# KiCad board px16_regfile.kicad_pcb (continued)
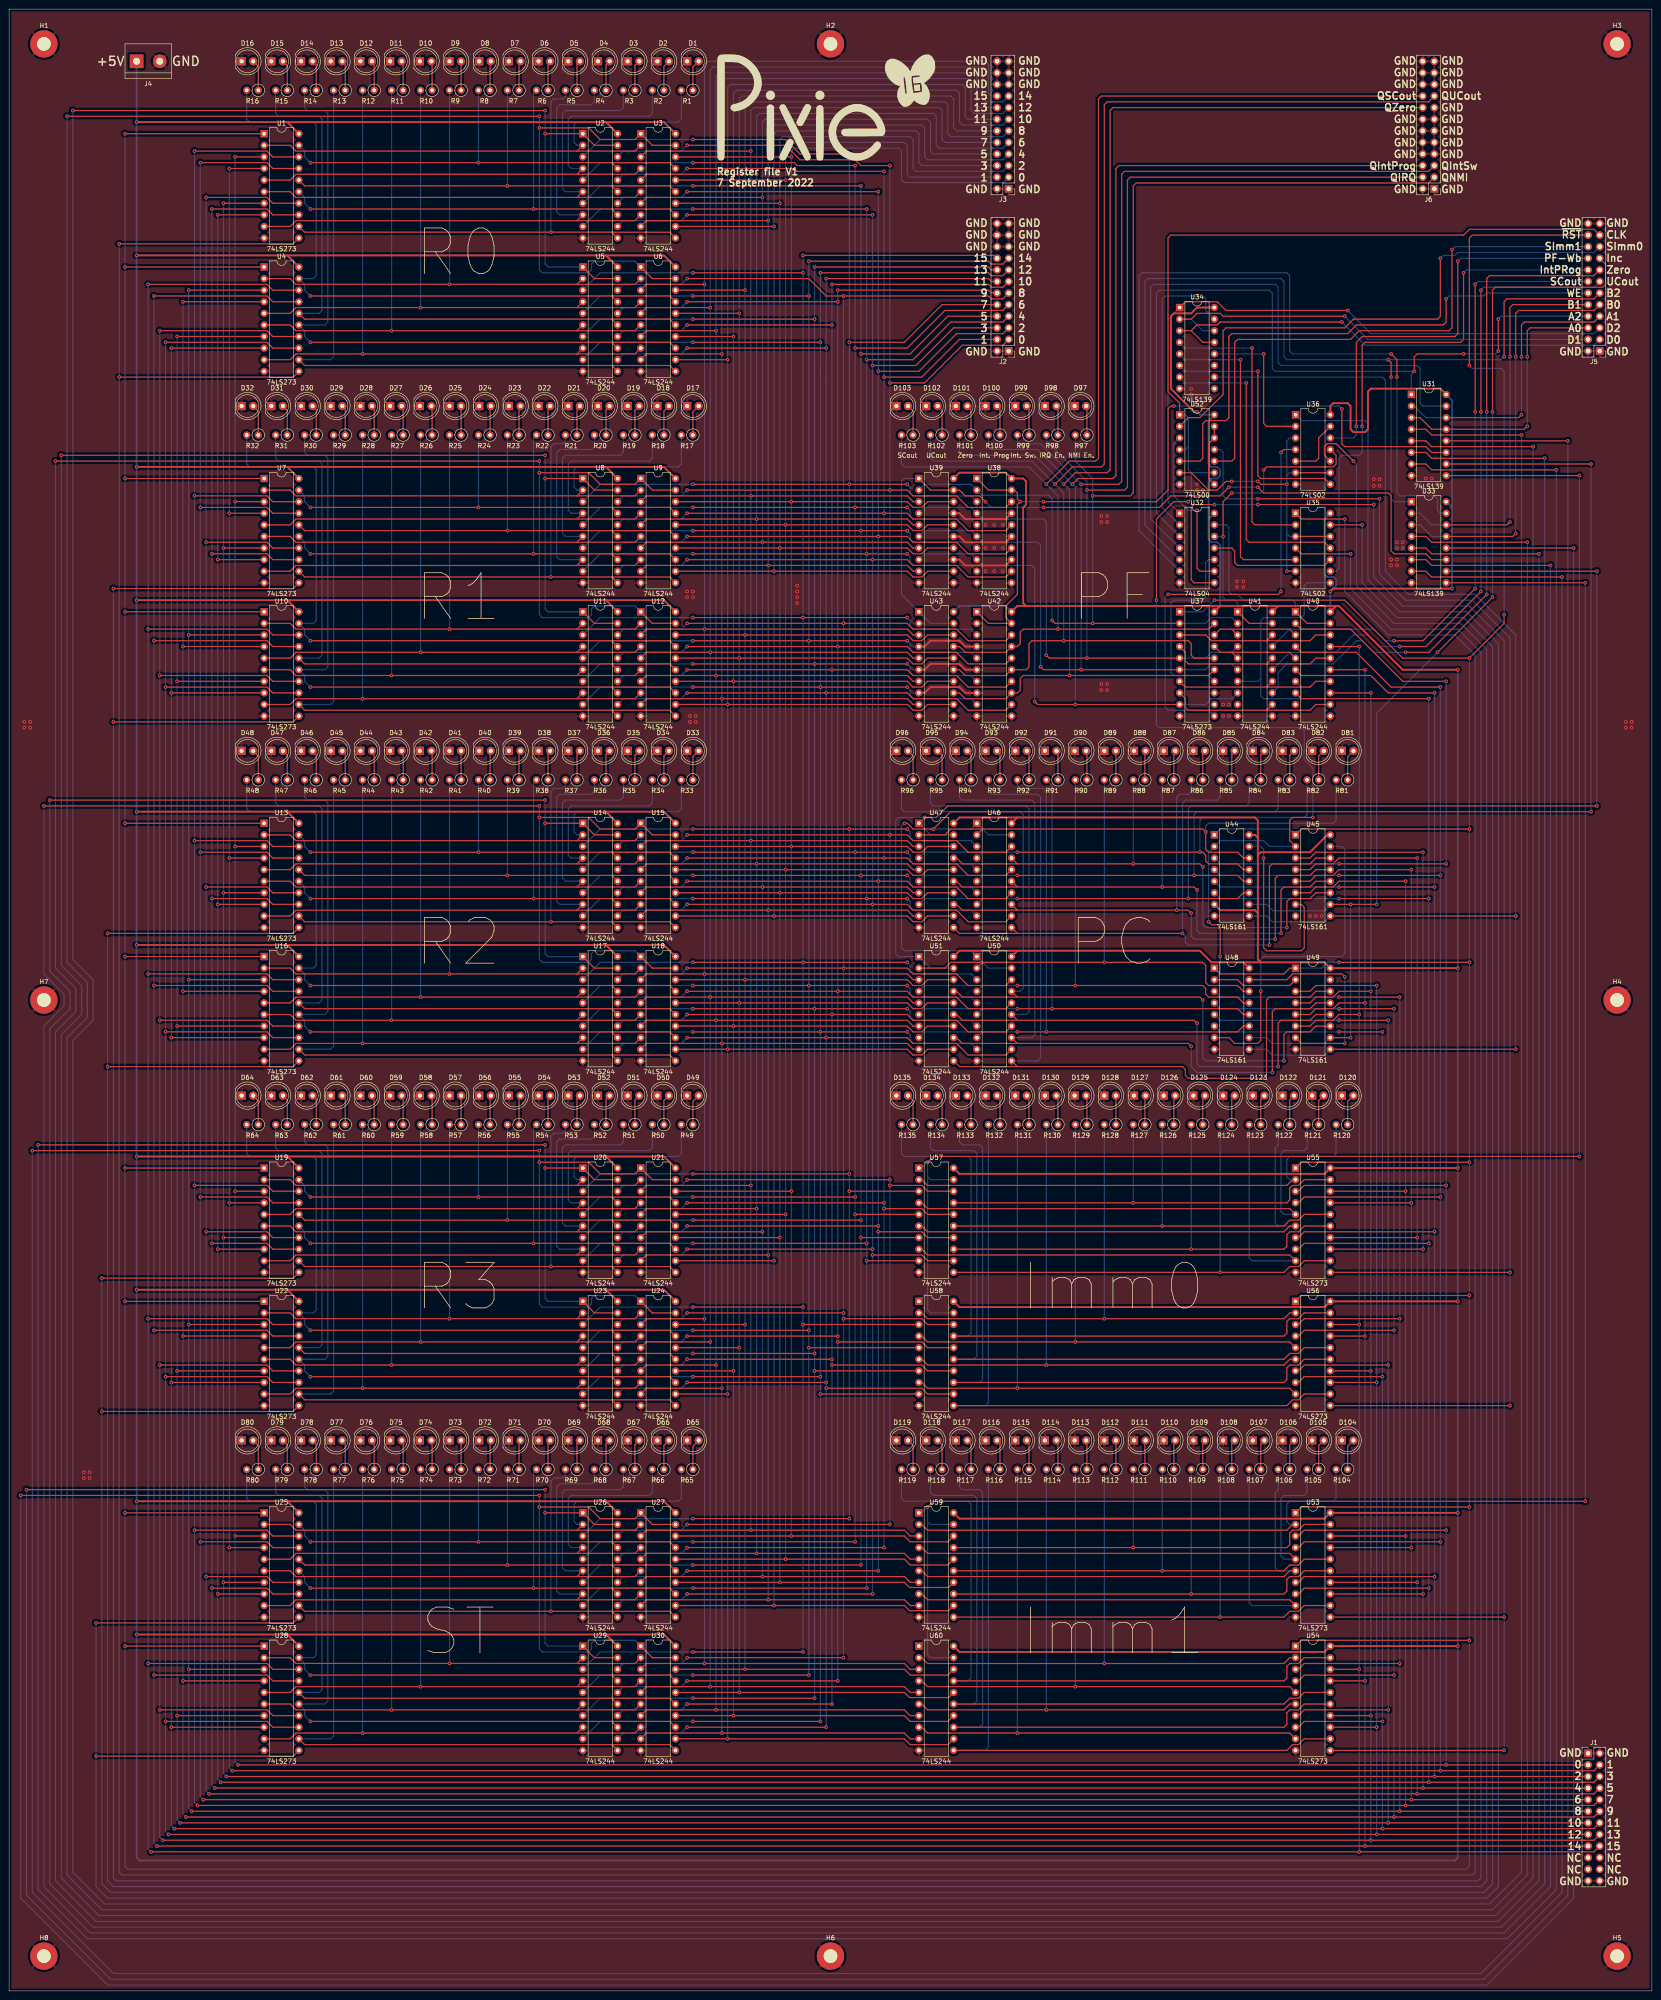
[diagram p0: board, top side]
## Routing (per net, layer and track width the routed paths; a pad name or vN(x,y) marks a point on that pad's centre or on a via; arc(x,y) is an arc through that point) (continued)
/R0-WE: length 1062.6
  Top w0.25: v1(24.13,382.9) 62.25,382.9 U1.11 ; v1(24.13,353.69) 62.25,353.69 U4.11 ; v1(292.73,322.58) 283.21,322.58 U35.1
  Bottom w0.25: v1(292.73,322.58) 292.73,306.7 302.26,297.18 316.87,297.18 321.31,292.74 321.31,26.03 320.68,25.4 24.77,25.4 24.13,26.03 v1(24.13,353.69) v1(24.13,382.9)
/R0Q0: length 121.7
  Top w0.25: U1.2 61.59,404.49 61.59,404.5 62.86,403.23 124.45,403.23 124.46,403.22 ; 125.73,404.5 124.46,403.23 137.15,403.23 137.16,403.22 138.43,404.5
  Bottom w0.25: R1.2 147.32,410.21 146.69,409.57 124.46,409.57 123.83,408.94 123.83,405.13 124.46,404.5 125.73,404.5
/R0Q1: length 123
  Top w0.25: 124.46,398.15 125.73,399.41 ; U1.5 61.59,396.87 62.86,398.14 137.16,398.14 138.43,399.41
  Bottom w0.25: R2.2 140.97,411.48 140.33,410.84 123.19,410.84 122.55,410.21 122.55,400.05 123.19,399.41 125.73,399.41
/R0Q2: length 124.3
  Top w0.25: 55.89,394.33 61.59,394.33 62.86,393.06 124.46,393.06 ; 124.46,393.06 125.73,394.33 ; 124.46,393.06 137.16,393.06 138.43,394.33
  Bottom w0.25: 125.73,394.33 121.92,394.33 121.29,394.97 121.29,411.48 121.92,412.11 133.99,412.11 134.62,412.75 R3.2
/R0Q3: length 125.6
  Top w0.25: 124.45,387.97 124.46,387.98 137.16,387.98 138.43,389.25 ; 124.45,387.97 125.73,389.25 ; 124.45,387.97 62.85,387.97 61.59,386.71 U1.9
  Bottom w0.25: R4.2 128.27,414.02 127.64,413.38 120.65,413.38 120.02,412.75 120.02,389.89 120.65,389.25 125.73,389.25
/R0Q4: length 118.9
  Top w0.25: 132.08,385.45 133.35,384.17 ; 146.05,384.17 144.78,385.44 132.08,385.44 132.07,385.45 64.77,385.45 U1.12
  Bottom w0.25: R5.2 121.92,415.29 121.29,414.65 119.38,414.65 118.75,414.02 118.74,414.02 v1(118.74,385.45)
/R0Q5: length 113.5
  Top w0.25: v1(66.04,390.52) 132.08,390.52 133.35,389.25 ; 146.05,389.25 144.78,390.52 144.77,390.52 132.08,390.52
  Bottom w0.25: v1(66.04,390.52) 64.77,391.79 64.77,393.07 U1.15 ; R6.2 114.93,415.92 v1(114.93,390.52)
/R0Q6: length 106.3
  Top w0.25: 132.08,395.6 144.78,395.6 146.05,394.33 ; 132.08,395.6 133.35,394.33 ; 132.08,395.6 64.77,395.6 64.77,395.61 U1.16
  Bottom w0.25: R7.2 v1(109.22,395.6)
/R0Q7: length 103.1
  Top w0.25: v1(66.04,400.68) 66.05,400.69 v1(102.86,400.69) 132.07,400.69 132.08,400.68 ; 132.08,400.68 144.78,400.68 146.05,399.41 ; 132.08,400.68 133.35,399.41
  Bottom w0.25: R8.2 102.87,400.69 v1(102.86,400.69) ; v1(66.04,400.68) 64.77,401.95 64.77,403.23 U1.19
/R0Q8: length 127.9
  Top w0.25: 124.46,374.01 125.73,375.28 ; 124.46,374.01 137.15,374.01 138.43,375.29 ; 124.46,374.01 124.45,374.02 62.86,374.02 61.59,375.28 55.89,375.28
  Bottom w0.25: R9.2 v1(96.52,374.01)
/R0Q9: length 133
  Top w0.25: 137.15,368.93 138.43,370.21 ; 55.89,367.66 61.59,367.66 62.86,368.93 124.46,368.93 ; 124.46,368.93 125.73,370.2 ; 124.46,368.93 137.16,368.93
  Bottom w0.25: R10.2 v1(90.17,368.93)
/R0Q10: length 138.1
  Top w0.25: 124.46,363.85 62.86,363.85 61.59,365.12 55.89,365.12 ; 124.46,363.85 137.16,363.85 ; 124.46,363.85 125.73,365.12 ; 137.15,363.85 138.43,365.13
  Bottom w0.25: R11.2 v1(83.82,363.85)
/R0Q11: length 143.2
  Top w0.25: 124.46,358.77 137.15,358.77 138.43,360.05 ; 124.46,358.77 125.73,360.04 ; 124.46,358.77 v1(77.47,358.77) 62.86,358.77 61.59,357.5 55.89,357.5
  Bottom w0.25: R12.2 v1(77.47,358.77)
/R0Q12: length 151.7
  Top w0.25: 64.77,356.24 132.08,356.24 ; 132.08,356.24 144.79,356.24 146.05,354.97 ; 132.08,356.24 133.35,354.96 ; 63.5,357.5 64.76,356.25
  Bottom w0.25: R13.2 71.12,358.14 70.48,357.5 63.51,357.5
/R0Q13: length 148.9
  Top w0.25: 132.08,361.31 144.78,361.31 ; 132.08,361.31 133.35,360.04 ; 132.08,361.31 v1(66.03,361.31) ; 144.79,361.31 146.05,360.05
  Bottom w0.25: v1(66.03,361.31) 64.76,362.58 64.76,363.87 63.5,365.12 ; R14.2 64.77,412.75 65.41,412.11 69.22,412.11 69.85,411.48 69.85,365.76 69.22,365.12 63.51,365.12
/R0Q14: length 148.4
  Top w0.25: 132.08,366.39 144.79,366.39 146.05,365.13 ; 132.08,366.39 133.35,365.12 ; 132.08,366.39 64.77,366.39 ; 63.5,367.66 64.76,366.4
  Bottom w0.25: 63.51,367.66 67.94,367.66 68.58,368.3 68.58,410.21 67.94,410.84 59.05,410.84 58.42,411.48 R15.2
/R0Q15: length 146.4
  Top w0.25: 146.05,370.21 144.79,371.47 132.08,371.47 ; v1(66.03,371.47) 132.08,371.47 ; 132.08,371.47 133.35,370.2
  Bottom w0.25: R16.2 52.07,410.21 52.7,409.57 66.67,409.57 67.31,408.94 67.31,375.92 66.67,375.28 63.51,375.28 ; v1(66.03,371.47) 64.76,372.75 64.76,374.02 63.5,375.28
/R1-WE: length 988.3
  Top w0.25: v1(22.86,278.13) 62.25,278.13 U10.11 ; v1(294,314.96) 283.21,314.96 U35.4 ; U7.11 62.25,307.34 v1(22.86,307.34)
  Bottom w0.25: v1(294,314.96) 294,307.34 302.89,298.45 317.5,298.45 322.58,293.37 322.58,24.76 321.94,24.13 23.49,24.13 22.86,24.76 v1(22.86,278.13) v1(22.86,307.34)
/R1Q0: length 121.7
  Top w0.25: 138.43,328.93 137.16,327.66 137.15,327.66 124.46,327.66 125.73,328.93 ; U7.2 61.59,328.92 61.59,328.93 62.86,327.66 124.45,327.66 124.46,327.66
  Bottom w0.25: 125.73,328.93 124.46,328.93 123.83,329.56 123.83,333.38 124.46,334.01 146.69,334.01 147.32,334.64 R17.2
/R1Q1: length 123
  Top w0.25: U7.5 61.59,321.3 62.86,322.58 137.16,322.58 138.43,323.85 ; 124.46,322.58 125.73,323.85
  Bottom w0.25: 125.73,323.85 123.19,323.85 122.55,324.49 122.55,334.64 123.19,335.28 140.33,335.28 140.97,335.91 R18.2
/R1Q2: length 124.3
  Top w0.25: 138.43,318.77 137.16,317.5 124.46,317.5 ; 125.73,318.77 124.46,317.5 ; 124.46,317.5 62.86,317.5 61.59,318.77 55.89,318.77
  Bottom w0.25: 125.73,318.77 121.92,318.77 121.29,319.4 121.29,335.91 121.92,336.55 133.99,336.55 134.62,337.18 R19.2
/R1Q3: length 125.6
  Top w0.25: 124.45,312.4 125.73,313.69 ; 124.45,312.4 124.46,312.42 137.16,312.42 138.43,313.69 ; 124.45,312.4 62.85,312.4 61.59,311.14 U7.9
  Bottom w0.25: 125.73,313.69 120.65,313.69 120.02,314.32 120.02,337.18 120.65,337.82 127.64,337.82 128.27,338.45 R20.2
/R1Q4: length 118.9
  Top w0.25: 132.08,309.88 133.35,308.61 ; U7.12 64.77,309.88 132.07,309.88 132.08,309.88 144.78,309.88 146.05,308.61
  Bottom w0.25: v1(118.74,309.88) 118.74,338.46 118.75,338.46 119.38,339.09 121.29,339.09 121.92,339.72 R21.2
/R1Q5: length 113.5
  Top w0.25: 146.05,313.69 144.78,314.96 144.77,314.95 132.08,314.95 ; 133.35,313.69 132.08,314.96 v1(66.04,314.96)
  Bottom w0.25: v1(114.93,314.96) 114.93,340.36 R22.2 ; v1(66.04,314.96) 64.77,316.23 64.77,317.5 U7.15
/R1Q6: length 106.3
  Top w0.25: 146.05,318.77 144.78,320.04 132.08,320.04 ; 132.08,320.04 133.35,318.77 ; 132.08,320.04 64.77,320.04 64.77,320.04 U7.16
  Bottom w0.25: R23.2 v1(109.22,320.04)
/R1Q7: length 103.1
  Top w0.25: 132.08,325.12 133.35,323.85 ; 132.08,325.12 144.78,325.12 146.05,323.85 ; 132.08,325.12 132.07,325.12 v1(102.86,325.12) 66.05,325.12 v1(66.04,325.12)
  Bottom w0.25: v1(102.86,325.12) 102.87,325.13 R24.2 ; U7.19 64.77,327.66 64.77,326.39 v1(66.04,325.12)
/R1Q8: length 127.9
  Top w0.25: 124.46,298.45 137.15,298.45 138.43,299.72 ; 124.46,298.45 125.73,299.72 ; 124.46,298.45 124.45,298.46 62.86,298.46 61.59,299.72 55.89,299.72
  Bottom w0.25: R25.2 v1(96.52,298.45)
/R1Q9: length 133
  Top w0.25: 55.89,292.1 61.59,292.1 62.86,293.37 124.46,293.37 ; 137.15,293.37 138.43,294.64 ; 124.46,293.37 137.16,293.37 ; 124.46,293.37 125.73,294.64
  Bottom w0.25: R26.2 v1(90.17,293.37)
/R1Q10: length 138.1
  Top w0.25: 124.46,288.29 137.16,288.29 ; 124.46,288.29 125.73,289.56 ; 124.46,288.29 62.86,288.29 61.59,289.56 55.89,289.56 ; 137.15,288.29 138.43,289.56
  Bottom w0.25: R27.2 v1(83.82,288.29)
/R1Q11: length 143.2
  Top w0.25: 138.43,284.49 137.15,283.21 124.46,283.21 ; 124.46,283.21 125.73,284.48 ; 124.46,283.21 v1(77.47,283.21) 62.86,283.21 61.59,281.94 55.89,281.94
  Bottom w0.25: R28.2 v1(77.47,283.21)
/R1Q12: length 151.7
  Top w0.25: 63.5,281.94 64.76,280.68 ; 132.08,280.67 133.35,279.4 ; 132.08,280.67 64.77,280.67 ; 132.08,280.67 144.79,280.67 146.05,279.4
  Bottom w0.25: R29.2 71.12,282.57 70.48,281.94 63.51,281.94
/R1Q13: length 148.9
  Top w0.25: v1(66.03,285.75) 132.08,285.75 ; 132.08,285.75 144.78,285.75 ; 132.08,285.75 133.35,284.48 ; 144.79,285.75 146.05,284.49
  Bottom w0.25: v1(66.03,285.75) 64.76,287.02 64.76,288.3 63.5,289.56 ; R30.2 64.77,337.18 65.41,336.55 69.22,336.55 69.85,335.91 69.85,290.19 69.22,289.56 63.51,289.56
/R1Q14: length 148.4
  Top w0.25: 132.08,290.83 144.79,290.83 146.05,289.56 ; 132.08,290.83 133.35,289.56 ; 132.08,290.83 64.77,290.83 ; 63.5,292.1 64.76,290.84
  Bottom w0.25: R31.2 58.42,335.91 59.05,335.28 67.94,335.28 68.58,334.64 68.58,292.74 67.94,292.1 63.51,292.1
/R1Q15: length 146.4
  Top w0.25: 132.08,295.91 133.35,294.64 ; 132.08,295.91 144.79,295.91 146.05,294.64 ; 132.08,295.91 v1(66.03,295.91)
  Bottom w0.25: 63.5,299.72 64.76,298.46 64.76,297.18 v1(66.03,295.91) ; R32.2 52.07,334.64 52.7,334.01 66.67,334.01 67.31,333.38 67.31,300.35 66.67,299.72 63.51,299.72
/R2-WE: length 939.5
  Top w0.25: U16.11 62.23,202.56 v1(21.59,202.56) ; v1(294.64,335.28) 290.83,339.09 288.93,339.09 288.29,338.45 288.29,336.56 U36.10 ; U13.11 62.23,231.77 v1(21.59,231.77)
  Bottom w0.25: v1(294.64,335.28) 295.27,334.64 295.27,307.97 303.53,299.72 318.13,299.72 323.85,294 323.85,24.13 322.58,22.86 22.86,22.86 21.59,24.13 v1(21.59,202.56) v1(21.59,231.77)
/R2Q0: length 121.7
  Top w0.25: U14.2 124.46,252.1 137.15,252.1 137.16,252.09 U15.2 ; 124.46,252.09 124.45,252.1 62.86,252.1 61.59,253.36 61.59,253.36 55.89,253.36
  Bottom w0.25: U14.2 124.46,253.36 123.83,254 123.83,257.81 124.46,258.44 146.69,258.44 147.32,259.08 147.32,265.43
/R2Q1: length 123
  Top w0.25: U15.4 137.16,247.01 62.86,247.01 61.59,245.74 55.89,245.74 ; 124.46,247.02 U14.4
  Bottom w0.25: U14.4 123.19,248.28 122.55,248.92 122.55,259.08 123.19,259.71 140.33,259.71 140.97,260.35 140.97,265.43
/R2Q2: length 124.3
  Top w0.25: U15.6 137.16,241.93 124.46,241.93 ; 124.46,241.93 62.86,241.93 61.59,243.2 55.89,243.2 ; 124.46,241.93 U14.6
  Bottom w0.25: 134.62,265.43 134.62,261.62 133.99,260.99 121.92,260.99 121.29,260.35 121.29,243.84 121.92,243.2 U14.6
/R2Q3: length 125.6
  Top w0.25: U15.8 137.16,236.85 124.46,236.85 124.45,236.84 ; 124.45,236.84 U14.8 ; 124.45,236.84 62.85,236.84 61.59,235.58 55.89,235.58
  Bottom w0.25: U14.8 120.65,238.12 120.02,238.76 120.02,261.62 120.65,262.25 127.64,262.25 128.27,262.89 128.27,265.43
/R2Q4: length 118.9
  Top w0.25: 63.51,235.58 64.77,234.32 132.07,234.32 132.08,234.31 144.78,234.31 U15.11 ; 132.08,234.32 U14.11
  Bottom w0.25: v1(118.74,234.32) 118.74,262.89 118.75,262.89 119.38,263.52 121.29,263.52 121.92,264.16 121.92,265.43
/R2Q5: length 113.5
  Top w0.25: v1(66.04,239.39) v1(114.93,239.39) 132.08,239.39 U14.13 ; 132.08,239.39 144.77,239.39 144.78,239.39 U15.13
  Bottom w0.25: 63.51,243.2 64.77,241.94 64.77,240.66 v1(66.04,239.39) ; R38.2 115.57,265.42 114.93,264.79 v1(114.93,239.39)
/R2Q6: length 106.3
  Top w0.25: 63.51,245.74 64.77,244.48 64.77,244.47 132.08,244.47 ; U15.15 144.78,244.47 132.08,244.47 ; 132.08,244.47 U14.15
  Bottom w0.25: 109.22,265.43 v1(109.22,244.47)
/R2Q7: length 103.1
  Top w0.25: 132.08,249.55 144.78,249.55 U15.17 ; 132.08,249.55 U14.17 ; 132.08,249.55 132.07,249.56 v1(102.86,249.56) 66.05,249.56 v1(66.04,249.55)
  Bottom w0.25: v1(102.86,249.56) 102.87,249.56 102.87,265.43 ; 63.51,253.36 64.77,252.1 64.77,250.82 v1(66.04,249.55)
/R2Q8: length 127.9
  Top w0.25: 138.43,224.16 137.15,222.88 124.46,222.88 ; 55.89,224.15 61.59,224.15 62.86,222.89 124.45,222.89 124.46,222.88 ; 124.46,222.88 U17.2
  Bottom w0.25: 96.52,265.43 v1(96.52,222.88)
/R2Q9: length 133
  Top w0.25: 124.46,217.8 62.86,217.8 61.59,216.53 55.89,216.53 ; 124.46,217.8 137.16,217.8 ; 124.46,217.8 U17.4 ; 137.15,217.8 138.43,219.08
  Bottom w0.25: 90.17,265.43 v1(90.17,217.8)
/R2Q10: length 138.1
  Top w0.25: 124.46,212.72 125.73,213.99 ; 124.46,212.72 137.16,212.72 ; 124.46,212.72 62.86,212.72 61.59,213.99 55.89,213.99 ; 137.15,212.72 138.43,214
  Bottom w0.25: 83.82,265.43 v1(83.82,212.72)
/R2Q11: length 143.2
  Top w0.25: 55.89,206.38 61.59,206.38 62.86,207.64 v1(77.47,207.64) 124.46,207.64 ; 124.46,207.64 U17.8 ; 124.46,207.64 137.15,207.64 138.43,208.92
  Bottom w0.25: 77.47,265.43 v1(77.47,207.64)
/R2Q12: length 151.7
  Top w0.25: 146.05,203.84 144.79,205.1 132.08,205.1 ; 64.77,205.1 132.08,205.1 ; 132.08,205.1 U17.11 ; U16.12 64.76,205.11
  Bottom w0.25: 63.51,206.38 70.48,206.38 71.12,207.01 71.12,265.43
/R2Q13: length 148.9
  Top w0.25: v1(66.03,210.18) 132.08,210.18 ; 132.08,210.18 U17.13 ; 132.08,210.18 144.78,210.18 ; 144.79,210.18 146.05,208.92
  Bottom w0.25: 64.77,265.43 64.77,261.62 65.41,260.99 69.22,260.99 69.85,260.35 69.85,214.63 69.22,213.99 63.51,213.99 ; 63.5,213.99 64.76,212.73 64.76,211.45 v1(66.03,210.18)
/R2Q14: length 148.4
  Top w0.25: 132.08,215.26 133.35,213.99 ; 132.08,215.26 64.77,215.26 ; 132.08,215.26 144.79,215.26 146.05,214 ; U16.16 64.76,215.27
  Bottom w0.25: 58.42,265.43 58.42,260.35 59.05,259.71 67.94,259.71 68.58,259.08 68.58,217.17 67.94,216.53 63.51,216.53
/R2Q15: length 146.4
  Top w0.25: 132.08,220.34 144.79,220.34 146.05,219.08 ; 132.08,220.34 U17.17 ; 132.08,220.34 v1(66.03,220.34)
  Bottom w0.25: v1(66.03,220.34) 64.76,221.61 64.76,222.89 U16.19 ; 63.51,224.15 66.67,224.15 67.31,224.79 67.31,257.81 66.67,258.44 52.7,258.44 52.07,259.08 52.07,265.43
/R3-WE: length 851.7
  Top w0.25: v1(296.54,321.31) U35.13 ; v1(20.32,156.21) 62.25,156.21 U19.11 ; U22.11 62.25,127 v1(20.32,127)
  Bottom w0.25: v1(20.32,156.21) v1(20.32,127) 20.32,23.49 22.23,21.59 323.21,21.59 325.12,23.49 325.12,294.64 318.77,300.99 304.16,300.99 296.54,308.61 v1(296.54,321.31)
/R3Q0: length 121.7
  Top w0.25: 124.46,176.53 124.45,176.53 62.86,176.53 61.59,177.8 61.59,177.79 U19.2 ; 138.43,177.8 137.16,176.53 137.15,176.53 124.46,176.53 125.73,177.8
  Bottom w0.25: 125.73,177.8 124.46,177.8 123.83,178.43 123.83,182.24 124.46,182.88 146.69,182.88 147.32,183.51 R49.2
/R3Q1: length 123
  Top w0.25: U19.5 61.59,170.17 62.86,171.45 137.16,171.45 138.43,172.72 ; 124.46,171.45 125.73,172.72
  Bottom w0.25: R50.2 140.97,184.78 140.33,184.15 123.19,184.15 122.55,183.51 122.55,173.35 123.19,172.72 125.73,172.72
/R3Q2: length 124.3
  Top w0.25: 138.43,167.64 137.16,166.37 124.46,166.37 ; 125.73,167.64 124.46,166.37 ; 124.46,166.37 62.86,166.37 61.59,167.64 55.89,167.64
  Bottom w0.25: 125.73,167.64 121.92,167.64 121.29,168.27 121.29,184.78 121.92,185.42 133.99,185.42 134.62,186.05 134.62,189.86
/R3Q3: length 125.6
  Top w0.25: 138.43,162.56 137.16,161.29 124.46,161.29 124.45,161.27 ; 124.45,161.27 62.85,161.27 61.59,160.01 U19.9 ; 124.45,161.27 125.73,162.56
  Bottom w0.25: 128.27,189.86 128.27,187.32 127.64,186.69 120.65,186.69 120.02,186.05 120.02,163.19 120.65,162.56 125.73,162.56
/R3Q4: length 118.9
  Top w0.25: 146.05,157.48 144.78,158.75 132.08,158.75 132.07,158.75 64.77,158.75 U19.12 ; 132.08,158.75 133.35,157.48
  Bottom w0.25: R53.2 121.92,188.59 121.29,187.96 119.38,187.96 118.75,187.33 118.74,187.33 v1(118.74,158.75)
/R3Q5: length 113.5
  Top w0.25: v1(66.04,163.83) 132.08,163.83 133.35,162.56 ; 146.05,162.56 144.78,163.83 144.77,163.82 132.08,163.82
  Bottom w0.25: v1(66.04,163.83) 64.77,165.1 64.77,166.38 U19.15 ; v1(114.93,163.83) 114.93,189.23 R54.2
/R3Q6: length 106.3
  Top w0.25: 132.08,168.91 64.77,168.91 64.77,168.91 U19.16 ; 132.08,168.91 133.35,167.64 ; 132.08,168.91 144.78,168.91 146.05,167.64
  Bottom w0.25: R55.2 v1(109.22,168.91)
/R3Q7: length 103.1
  Top w0.25: 146.05,172.72 144.78,173.99 132.08,173.99 ; 132.08,173.99 133.35,172.72 ; 132.08,173.99 132.07,173.99 v1(102.86,173.99) 66.05,173.99 v1(66.04,173.99)
  Bottom w0.25: R56.2 102.87,174 v1(102.86,173.99) ; v1(66.04,173.99) 64.77,175.26 64.77,176.53 U19.19
/R3Q8: length 127.9
  Top w0.25: 124.46,147.32 124.45,147.33 62.86,147.33 61.59,148.59 55.89,148.59 ; 124.46,147.32 137.15,147.32 138.43,148.59 ; 124.46,147.32 125.73,148.59
  Bottom w0.25: R57.2 v1(96.52,147.32)
/R3Q9: length 133
  Top w0.25: 124.46,142.24 137.16,142.24 ; 124.46,142.24 62.86,142.24 61.59,140.97 55.89,140.97 ; 124.46,142.24 125.73,143.51 ; 137.15,142.24 138.43,143.51
  Bottom w0.25: R58.2 v1(90.17,142.24)
/R3Q10: length 138.1
  Top w0.25: 137.15,137.16 138.43,138.43 ; 124.46,137.16 125.73,138.43 ; 124.46,137.16 62.86,137.16 61.59,138.43 55.89,138.43 ; 124.46,137.16 137.16,137.16
  Bottom w0.25: R59.2 v1(83.82,137.16)
/R3Q11: length 143.2
  Top w0.25: 55.89,130.81 61.59,130.81 62.86,132.08 v1(77.47,132.08) 124.46,132.08 ; 138.43,133.35 137.15,132.08 124.46,132.08 ; 124.46,132.08 125.73,133.35
  Bottom w0.25: R60.2 v1(77.47,132.08)
/R3Q12: length 151.7
  Top w0.25: 132.08,129.54 144.79,129.54 146.05,128.27 ; 132.08,129.54 64.77,129.54 ; 132.08,129.54 133.35,128.27 ; 63.5,130.81 64.76,129.55
  Bottom w0.25: 63.51,130.81 70.48,130.81 71.12,131.44 R61.2
/R3Q13: length 148.9
  Top w0.25: 132.08,134.62 144.78,134.62 ; 132.08,134.62 v1(66.03,134.62) ; 132.08,134.62 133.35,133.35 ; 144.79,134.62 146.05,133.35
  Bottom w0.25: 63.5,138.43 64.76,137.17 64.76,135.89 v1(66.03,134.62) ; R62.2 64.77,186.05 65.41,185.42 69.22,185.42 69.85,184.78 69.85,139.06 69.22,138.43 63.51,138.43
/R3Q14: length 148.4
  Top w0.25: 132.08,139.7 144.79,139.7 146.05,138.43 ; 132.08,139.7 64.77,139.7 ; 132.08,139.7 133.35,138.43 ; 63.5,140.97 64.76,139.71
  Bottom w0.25: R63.2 58.42,184.78 59.05,184.15 67.94,184.15 68.58,183.51 68.58,141.6 67.94,140.97 63.51,140.97
/R3Q15: length 146.4
  Top w0.25: 132.08,144.78 133.35,143.51 ; 132.08,144.78 144.79,144.78 146.05,143.51 ; 132.08,144.78 v1(66.03,144.78)
  Bottom w0.25: 63.5,148.59 64.76,147.33 64.76,146.05 v1(66.03,144.78) ; 63.51,148.59 66.67,148.59 67.31,149.22 67.31,182.24 66.67,182.88 52.7,182.88 52.07,183.51 R64.2
/SCout: length 143.5
  Top w0.25: v1(321.31,346.07) v1(321.31,374.01) ; v1(303.53,295.91) 309.88,295.91 v1(321.31,307.34)
  Bottom w0.25: v1(321.31,307.34) v1(321.31,346.07) ; J5.14 321.94,374.65 v1(321.31,374.01) ; v1(303.53,295.91) 301.62,295.91 299.08,298.45 280.67,298.45 U41.17
/SImm0: length 124
  Top w0.25: U52.2 258.44,344.8 260.98,344.8 266.06,349.88 266.06,363.85 266.7,364.49 292.73,364.49 294.64,366.39 313.06,366.39 313.69,367.03 v1(313.69,379.73)
  Bottom w0.25: v1(313.69,379.73) 314.32,380.36 316.87,380.36 317.5,381 347.34,381 J5.19
/SImm1: length 126.3
  Top w0.25: U52.10 267.97,335.28 268.6,335.91 268.6,361.31 269.24,361.95 294,361.95 295.91,363.85 315.59,363.85 316.23,364.49 v1(316.23,381.63)
  Bottom w0.25: J5.20 316.87,382.27 v1(316.23,381.63)
/ST-WE: length 814.9
  Top w0.25: v1(19.05,80.64) 62.25,80.64 U25.11 ; U28.11 62.24,51.43 v1(19.05,51.43)
  Bottom w0.25: U36.1 281.95,345.43 283.21,344.17 297.18,344.17 297.81,343.53 297.81,309.25 304.8,302.26 319.4,302.26 326.39,295.27 326.39,22.86 323.85,20.32 21.59,20.32 19.05,22.86 v1(19.05,51.43) v1(19.05,80.64)
/STQ0: length 121.7
  Top w0.25: 124.46,100.96 124.45,100.97 62.86,100.97 61.59,102.23 61.59,102.23 U25.2 ; U26.2 124.46,100.97 137.15,100.97 137.16,100.96 U27.2
  Bottom w0.25: U26.2 124.46,102.23 123.83,102.87 123.83,106.68 124.46,107.31 146.69,107.31 147.32,107.95 R65.2
/STQ1: length 123
  Top w0.25: 124.46,95.89 U26.4 ; U25.5 61.59,94.61 62.86,95.88 137.16,95.88 U27.4
  Bottom w0.25: U26.4 123.19,97.15 122.55,97.79 122.55,107.95 123.19,108.58 140.33,108.58 140.97,109.22 R66.2
/STQ2: length 124.3
  Top w0.25: 124.46,90.8 62.86,90.8 61.59,92.07 55.89,92.07 U25.6 ; 124.46,90.8 U26.6 ; 124.46,90.8 137.16,90.8 U27.6
  Bottom w0.25: R67.2 134.62,110.49 133.99,109.85 121.92,109.85 121.29,109.22 121.29,92.71 121.92,92.07 U26.6
/STQ3: length 125.6
  Top w0.25: U25.9 61.59,84.45 62.85,85.71 124.45,85.71 ; 124.45,85.71 125.73,86.99 ; 124.45,85.71 124.46,85.72 137.16,85.72 138.43,86.99
  Bottom w0.25: 125.73,86.99 120.65,86.99 120.02,87.63 120.02,110.49 120.65,111.12 127.64,111.12 128.27,111.76 R68.2
/STQ4: length 118.9
  Top w0.25: U27.11 144.78,83.18 132.08,83.18 132.07,83.19 64.77,83.19 U25.12 ; 132.08,83.19 U26.11
  Bottom w0.25: v1(118.74,83.19) 118.74,111.76 118.75,111.76 119.38,112.39 121.29,112.39 121.92,113.03 R69.2
/STQ5: length 113.5
  Top w0.25: 146.05,86.99 144.78,88.26 144.77,88.26 132.08,88.26 ; v1(66.04,88.26) 132.08,88.26 133.35,86.99
  Bottom w0.25: v1(66.04,88.26) 64.77,89.53 64.77,90.81 U25.15 ; v1(114.93,88.26) 114.93,113.66 R70.2
/STQ6: length 106.3
  Top w0.25: 132.08,93.34 144.78,93.34 U27.15 ; 132.08,93.34 64.77,93.34 64.77,93.35 U25.16 ; 132.08,93.34 U26.15
  Bottom w0.25: R71.2 v1(109.22,93.34)
/STQ7: length 103.1
  Top w0.25: 132.08,98.42 132.07,98.43 v1(102.86,98.43) 66.05,98.43 v1(66.04,98.42) ; 132.08,98.42 144.78,98.42 U27.17 ; 132.08,98.42 U26.17
  Bottom w0.25: v1(102.86,98.43) 102.87,98.43 R72.2 ; U25.19 64.77,100.97 64.77,99.69 v1(66.04,98.42)
/STQ8: length 127.9
  Top w0.25: U28.2 61.59,73.02 62.86,71.76 124.45,71.76 124.46,71.75 ; 124.46,71.75 U29.2 ; 124.46,71.75 137.15,71.75 U30.2
  Bottom w0.25: R73.2 v1(96.52,71.75)
/STQ9: length 133
  Top w0.25: 124.46,66.67 62.86,66.67 61.59,65.4 U28.5 ; 124.46,66.67 U29.4 ; 124.46,66.67 137.16,66.67 ; 137.15,66.67 U30.4
  Bottom w0.25: R74.2 v1(90.17,66.67)
/STQ10: length 138.1
  Top w0.25: 124.46,61.59 62.86,61.59 61.59,62.86 U28.6 ; 124.46,61.59 U29.6 ; 124.46,61.59 137.16,61.59 ; 137.15,61.59 U30.6
  Bottom w0.25: R75.2 v1(83.82,61.59)
/STQ11: length 143.2
  Top w0.25: U28.9 61.59,55.24 62.86,56.51 v1(77.47,56.51) 124.46,56.51 ; U30.8 137.15,56.51 124.46,56.51 ; 124.46,56.51 U29.8
  Bottom w0.25: R76.2 v1(77.47,56.51)
/STQ12: length 151.7
  Top w0.25: 132.08,53.97 U29.11 ; 132.08,53.97 64.77,53.97 ; 132.08,53.97 144.79,53.97 U30.11 ; 63.5,55.24 64.76,53.98
  Bottom w0.25: R77.2 71.12,55.88 70.48,55.24 U28.12
/STQ13: length 148.9
  Top w0.25: 132.08,59.05 144.78,59.05 ; 132.08,59.05 v1(66.03,59.05) ; 132.08,59.05 U29.13 ; 144.79,59.05 U30.13
  Bottom w0.25: U28.15 69.22,62.86 69.85,63.5 69.85,109.22 69.22,109.85 65.41,109.85 64.77,110.49 R78.2 ; 63.5,62.86 64.76,61.6 64.76,60.32 v1(66.03,59.05)
/STQ14: length 148.4
  Top w0.25: 63.5,65.4 64.76,64.14 ; 132.08,64.13 U29.15 ; 132.08,64.13 144.79,64.13 U30.15 ; 132.08,64.13 64.77,64.13
  Bottom w0.25: R79.2 58.42,109.22 59.05,108.58 67.94,108.58 68.58,107.95 68.58,66.04 67.94,65.4 U28.16
/STQ15: length 146.4
  Top w0.25: 132.08,69.21 144.79,69.21 U30.17 ; 132.08,69.21 U29.17 ; 132.08,69.21 v1(66.03,69.21)
  Bottom w0.25: R80.2 52.07,107.95 52.7,107.31 66.67,107.31 67.31,106.68 67.31,73.66 66.67,73.02 U28.19 ; 63.5,73.02 64.76,71.76 64.76,70.48 v1(66.03,69.21)
/UCout: length 147.8
  Top w0.25: v1(322.58,306.7) 310.51,294.64 v1(304.8,294.64) ; v1(322.58,346.07) v1(322.58,372.75)
  Bottom w0.25: U41.15 280.67,293.37 290.83,293.37 294.64,297.18 297.81,297.18 300.35,294.64 v1(304.8,294.64) ; v1(322.58,306.7) v1(322.58,346.07) ; v1(322.58,372.75) 323.21,373.38 347.34,373.38 J5.13
/WE: length 122.6
  Top w0.25: U52.5 260.98,335.28 261.62,335.91 261.62,343.53 262.25,344.17 266.7,344.17 267.33,344.8 267.33,362.58 267.97,363.22 293.37,363.22 295.27,365.12 314.32,365.12 314.96,365.76 v1(314.96,370.84)
  Bottom w0.25: J5.12 323.85,372.11 323.21,371.47 315.59,371.47 v1(314.96,370.84)
/Zero: length 154.7
  Top w0.25: v1(323.85,306.07) 311.15,293.37 v1(306.07,293.37) ; J5.15 347.34,375.92 324.48,375.92 323.85,375.28 v1(323.85,346.07)